# Altium PCB PCB1.PcbDoc
Units mm, origin at the board's own origin, x right, y up, seen from the top; angles counter-clockwise.
Board outline 103.38 x 72.39 mm, 2 copper layers (Top Layer, Bottom Layer); 32 components, 24 nets, 105 pads, 26 vias.
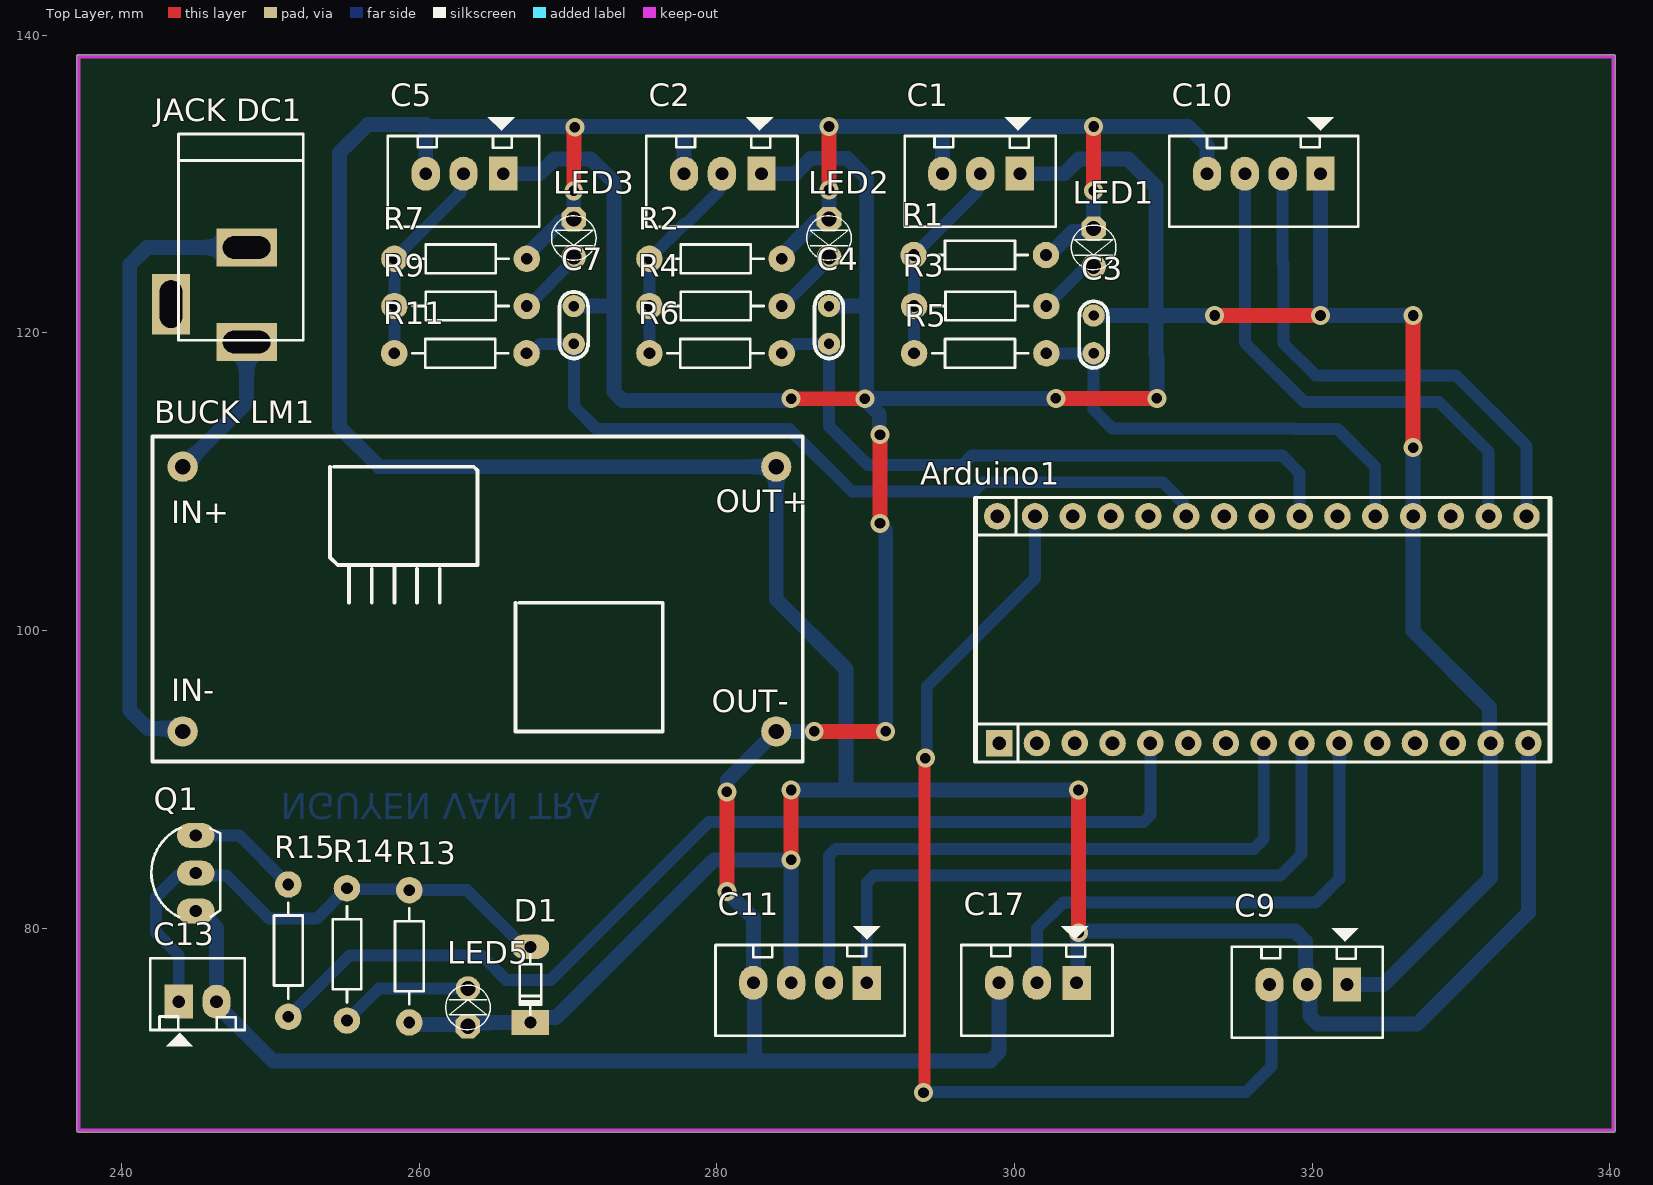
[diagram p0: Top Layer view]
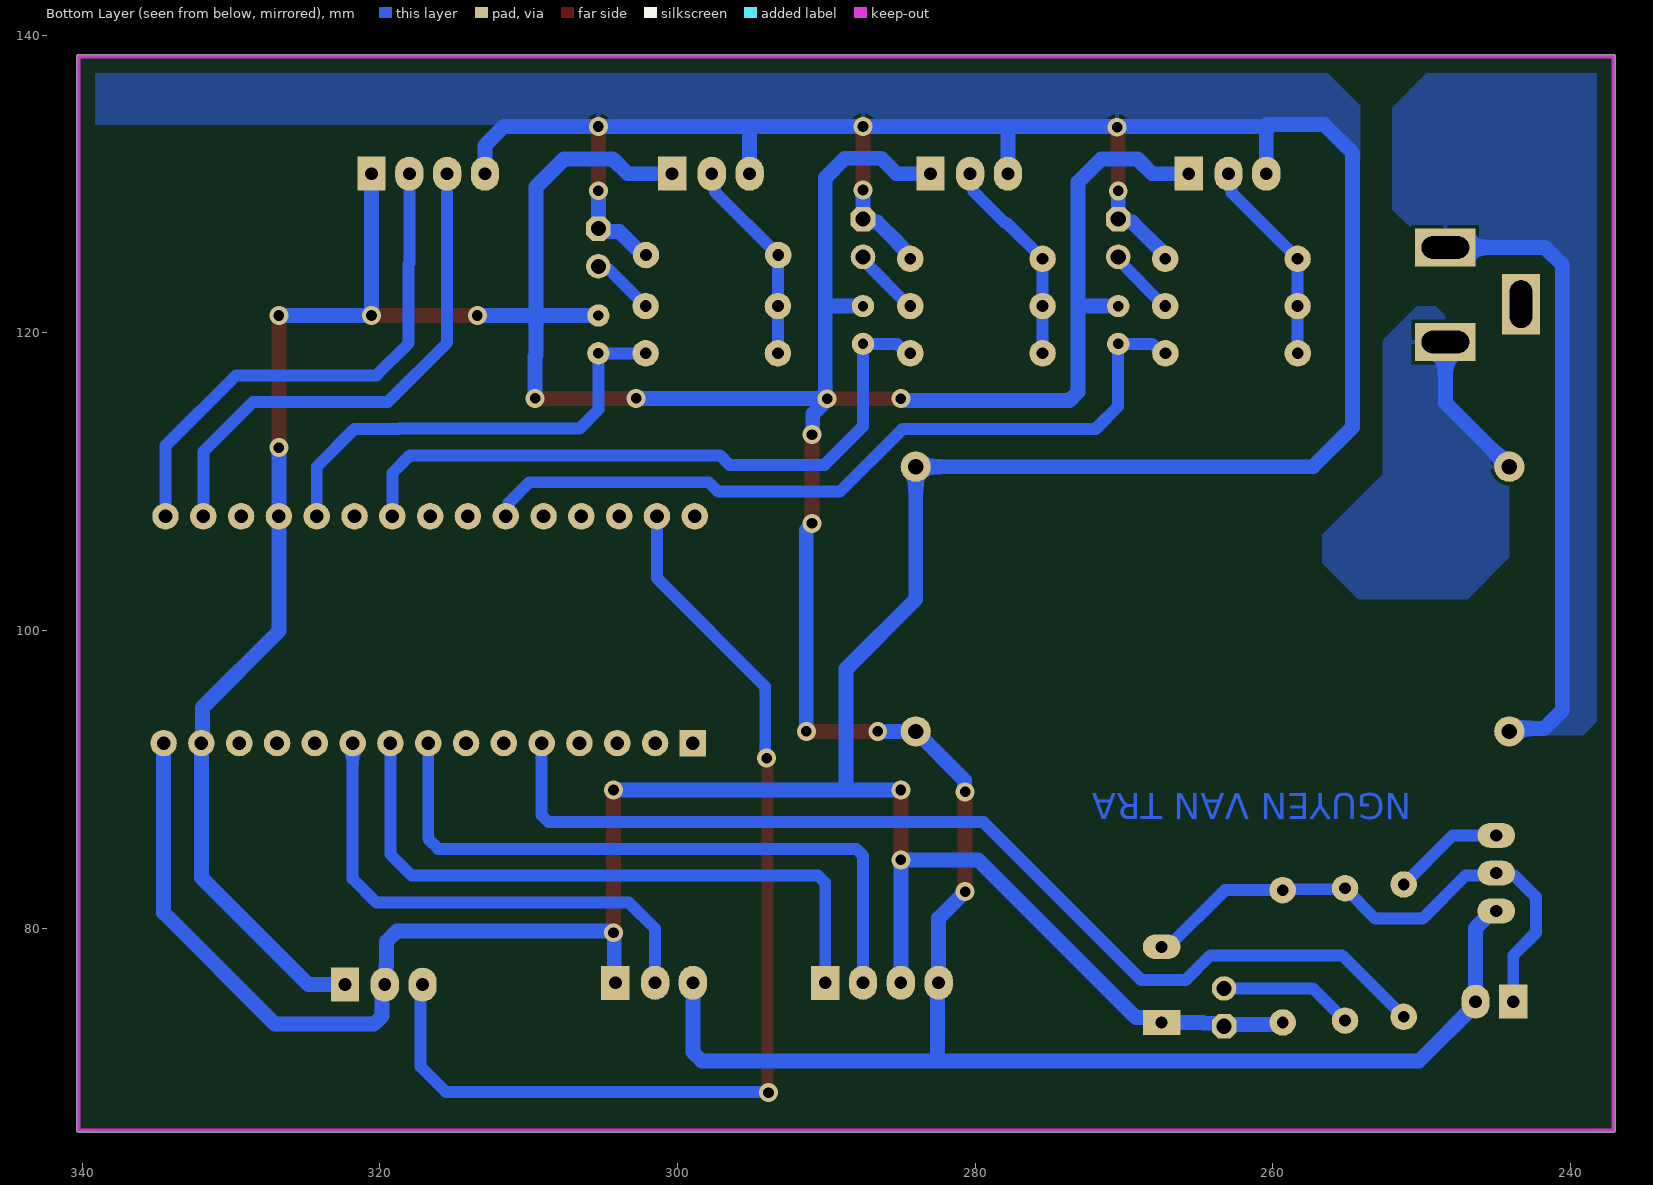
[diagram p1: Bottom Layer view, seen from below]

## Layer stack, top to bottom
Top Solder: solder mask 0.0102, Solder Resist, Dk 3.5
Top Layer: signal copper 0.0356
Dielectric 1: dielectric 0.32, FR-4, Dk 4.8
Bottom Layer: signal copper 0.0356
Bottom Solder: solder mask 0.0102, Solder Resist, Dk 3.5

## Board outline
236.982,66.421 236.982,138.557 cw(c237.109,138.557) 237.109,138.684 340.233,138.684 cw(c340.233,138.557) 340.36,138.557 340.36,66.421 cw(c340.233,66.421) 340.233,66.294 237.109,66.294 cw(c237.109,66.421)

## Design rules (kind name [scope] priority, off if disabled: settings)
Clearance [All] p1: gap=1 ignorepadtopadclearanceinfootprint=TRUE except(0.254: Arc-Hole Track-Hole SMDPad-Hole THPad-Hole Via-Hole Fill-Hole Poly-Hole Region-Hole Text-Hole)
PolygonConnect [All] p1: connectstyle=Relief reliefconductorwidth=0.254 reliefentries=4 polygonreliefangle="90 Angle" airgapwidth=0.254
RoutingVias [All] p1: holewidth=0.711 width=1.27 viastyle="Through Hole" minholewidth=0.711 minwidth=1.27 maxholewidth=0.711 maxwidth=1.27
SolderMaskExpansion [All] p1: expansion=0.102 istentingtop=FALSE
Width V12 [InNet('VCC12')] p1: maxlimit=1 minlimit=1 preferedwidth=1
Width GND [InNet('GND')] p2: maxlimit=1 minlimit=1 preferedwidth=1
Width GND12 [InNet('GND12')] p3: maxlimit=1 minlimit=1 preferedwidth=1
Width VCC [InNet('VCC5')] p4: maxlimit=1 minlimit=1 preferedwidth=1
Width SIGNAL [All] p5: maxlimit=0.8 minlimit=0.8 preferedwidth=0.8
30 further rules are at their usual default settings.

## Classes and differential pairs
component class Sheet1: B? C?

## Components (designator, comment, footprint, x,y, rotation, side; value= is the part's Value field where it differs from the comment)
Arduino1 "Arduino Nano" "Arduino Nano" 316.865,99.287 r270 top value="Cau 1A"
"BUCK LM1" "Buck LM2596" "BUCK LM2596" 263.665,102.87 r0 top
C1 "Sensor 01" Header3 300.228,130.683 r180 top
C2 "Sensor 0" Header3 282.871,130.683 r180 top
C3 "104" "tu gom" 305.308,119.888 r90 top
C4 "104" "tu gom" 287.528,120.523 r90 top
C5 "Sensor 02" Header3 265.515,130.683 r180 top
C7 "104" "tu gom" 270.383,120.523 r90 top
C9 "Servo_0" Header3 322.199,76.2 r180 top
C10 "USART_PC" Header4 320.548,130.683 r180 top
C11 "LCD_I2C" Header4 290.068,76.327 r180 top
C13 "Header2" Header2 243.84,75.057 r0 top
C17 "ADC1" Header3 304.038,76.327 r180 top
D1 "100v" "DIODE 0.5A" 267.462,76.2 r90 top
"JACK DC1" "JACK DC 5.5" "JACK DC 5.5" 245.859,122.555 r270 top value="Jac DC"
LED1 "LED 3mm" LED-3MM-BLUE 305.308,125.603 r270 top
LED2 "LED 3mm" LED-3MM-BLUE 287.528,126.238 r270 top
LED3 "LED 3mm" LED-3MM-BLUE 270.383,126.238 r270 top
LED5 "LED 3mm" LED-3MM-BLUE 263.271,74.803 r90 top
Q1 "C1815" C1815_cam 244.983,83.693 r90 top
R1 "47K" R1/4W 293.218,125.222 r0 top value="R1/4W - 1K"
R2 "47K" R1/4W 275.463,124.968 r0 top value="R1/4W - 1K"
R3 "100R" R1/4W 293.243,121.793 r0 top value="R1/4W - 1K"
R4 "100R" R1/4W 275.463,121.793 r0 top value="R1/4W - 1K"
R5 "4.7K" R1/4W 302.133,118.618 r180 top value="R1/4W - 1K"
R6 "4.7K" R1/4W 284.353,118.618 r180 top value="R1/4W - 1K"
R7 "47K" R1/4W 258.333,124.968 r0 top value="R1/4W - 1K"
R9 "100R" R1/4W 258.333,121.793 r0 top value="R1/4W - 1K"
R11 "4.7K" R1/4W 267.208,118.618 r180 top value="R1/4W - 1K"
R13 "510R" R1/4W 259.334,73.66 r90 top value="R1/4W - 1K"
R14 "510R" R1/4W 255.143,73.787 r90 top value="R1/4W - 1K"
R15 "510R" R1/4W 251.206,74.041 r90 top value="R1/4W - 1K"

## Footprints (in the part's own frame and the unit in brackets; to place one, negate y for a bottom-side part, rotate by r counter-clockwise, add the part's x,y. Pads: shape width x height; smd on the part's side, far side on the other; paste and mask are expansions set on the pad)
"Arduino Nano" [mil]
  round 70 hole 36: 3V3(270,-605) 5V(270,395) A0(270,-405) A1(270,-305) A2(270,-205) A3(270,-105) A4(270,-5) A5(270,95) A6(270,195) A7(270,295) D2(-330,290) D3(-330,190) D4(-330,90) D5(-330,-10) D6(-330,-110) D7(-330,-210) D8(-330,-310) D9(-330,-410) D10(-330,-510) D11(-330,-610) D12(-330,-710) GND(-330,390) GND(270,595) REF(270,-505) RST(-330,490) RST(270,495) RX0(-330,590) TX1(-330,690) VIN(270,695)
  rect 70x70 hole 36: D13(270,-705)
  silkscreen extent -380,-770 320,755, body extent -380,-924 320,844, height 834
"BUCK LM2596" [mil]
  round 80 hole 40: 1(-770,320) 2(-770,-380) 3(800,-380) 4(800,320)
  silkscreen extent -850,-460 870,400
C1815_cam [mil]
  oval 66x100 hole 32: 1(-100,0) 2(0,0) 3(100,0)
  silkscreen extent -117,-65 120,118, body extent -109,-66 109,95, height 245
"DIODE 0.5A" [mil] "Diode muoi, xung"
  oval 65x100 hole 32: 1(100,0)
  rect 65x100 hole 32: 2(-100,0)
  silkscreen extent -80,-30 80,28, body extent -108,-33 108,32, height 61
Header2 [mil] "CON2"
  rect 75x90 hole 34: 1(0,0)
  oval 75x90 hole 34: 2(100,0)
  silkscreen extent -75,-118 175,115, body extent -68,-70 168,107, height 236
Header3 [mil] "CON 3"
  rect 75x90 hole 34: 1(-5,0)
  oval 75x90 hole 34: 2(100,0) 3(200,0)
  silkscreen extent -100,-150 300,140, body extent -95,-90 295,136, height 276
Header4 [mil] "CON4"
  rect 75x90 hole 34: 1(0,0)
  oval 75x90 hole 34: 2(100,0) 3(200,0) 4(300,0)
  silkscreen extent -100,-150 400,140, body extent -90,-90 398,136, height 276
"JACK DC 5.5" [mm] "Jac DC input"
  rect 2.54x4.064 hole 1.5 slot 3.2 at 90 deg: 1(3.175,2.54) 2(-3.175,2.54)
  rect 4.064x2.54 hole 1.5 slot 3.2 at 0 deg: 3(0.635,-2.54)
  silkscreen extent -10.8,-2.03 3.05,6.35, body extent -10.42,-2.67 3.4,6.84, height 11.02
LED-3MM-BLUE [mil]
  oct 65x65 hole 40: 1(-55,0)
  round 65 hole 40: 2(45,0)
  silkscreen extent -64,-59 54,59, body extent -72,-65 54,65, height 184
R1/4W [mil]
  round 70 hole 31: 1(0,0) 2(350,0)
  silkscreen extent 48,-38 302,38, body extent -40,-47 386,47, height 111
"tu gom" [mm] "Tu gom mini"
  round 1.5 hole 0.7: 1(-1.27,0) 2(1.27,0)
  silkscreen extent -2.25,-0.97 2.22,0.97, body extent -2.92,-0.85 2.92,0.85, height 6.12

## Part data
Arduino1: "Arduino NANO"
C1 C2 C5 C9 C17: library part Header3, "Header IDC, 3 x 1 Pin Vertical 2.54mm Pitch (Non-Boxed, Male)", Manufacturer="W¨¹rth Elektronik eiSos GmbH", partNo=613002143121, ComponentLink1 Description=Manufacturer, ComponentLink1URL=http://www.we-online.com, ComponentLink2 Description=Datasheet, ComponentLink2URL=http://katalog.we-online.de/em/datasheet/6130xx143121.pdf, Created by="Karrer Zheng", Created Date="29 March 2013", NoPins=02
C3 C4 C7: library part "Tu gom 104 50V", "Cắm", Chung_Loai=Cắm, Don_Vi=Con, Ma_Hang=MH004761, So_Chan=2, Ten_Linh_Kien="Tụ gốm 104 100nF 50V"
C10 C11: library part Header4, "Header IDC, 4 x 1 Pin Vertical 2.54mm Pitch (Non-Boxed, Male)", Manufacturer="W¨¹rth Elektronik eiSos GmbH", partNo=613002143121, ComponentLink1 Description=Manufacturer, ComponentLink1URL=http://www.we-online.com, ComponentLink2 Description=Datasheet, ComponentLink2URL=http://katalog.we-online.de/em/datasheet/6130xx143121.pdf, Created by="Karrer Zheng", Created Date="29 March 2013", NoPins=02
C13: "Header IDC, 2 x 1 Pin Vertical 2.54mm Pitch (Non-Boxed, Male)", Manufacturer="W¨¹rth Elektronik eiSos GmbH", partNo=613002143121, ComponentLink1 Description=Manufacturer, ComponentLink1URL=http://www.we-online.com, ComponentLink2 Description=Datasheet, ComponentLink2URL=http://katalog.we-online.de/em/datasheet/6130xx143121.pdf, Created by="Karrer Zheng", Created Date="29 March 2013", NoPins=02
D1: library part "Diode 1N4148", "Cắm", Chung_Loai=Cắm, Don_Vi=Con, Ma_Hang=MH001065, Ten_Linh_Kien="Diode 1N4148 DO35 450mA 100V ( 1N4148 DIP)"
LED1 LED2 LED3 LED5: library part "LED 3mm Xanh Duong", "Cắm", Chung_Loai=Cắm, Don_Vi=Con, Ma_Hang=MH009003, Ten_Linh_Kien="LED 3MM Xanh Dương SS (1000c)"
Q1: "NPN 600mW, ECB"
R1 R2 R3 R4 R5 R6 R7 R9 R11 R13 R14 R15: library part R1/4W, "Resistor 1/4W"

## Via types
v1: diameter 1.27, hole 0.711, Top Layer to Bottom Layer, 26 vias

## Nets (pads, with @x,y where several pads share a name; then routed paths per layer and width w, separated by ;. In a path a pad name is that pad's centre, name@x,y a point inside that pad or via, vN(x,y) a via of type N, cw(c..) or ccw(c..) an arc to the next point about the centre after c; other vN are vias at no path point)
ADC1: Arduino1.A6 C17.2 | length 34.5
  Bottom Layer w0.8: C17.2 301.498,79.967 303.253,81.722 320.228,81.722 321.818,83.312 Arduino1.A6
ADC2: Arduino1.A7
GND: "BUCK LM1.3" Arduino1.GND C1.1 C2.1 C3.2 C4.2 C5.1 C7.2 C9.1 C10.1 C11.4 C13.2 C17.3 Q1.1 | length 316.2
  Top Layer w1: v1(280.67,82.447) v1(280.67,89.154) ; v1(284.988,115.57) 284.989,115.569 v1(289.941,115.568) v1(289.941,115.568) ; v1(286.536,93.218) v1(291.338,93.218) ; v1(290.957,107.188) v1(290.957,113.157) ; v1(302.768,115.593) v1(309.553,115.593) ; v1(313.436,121.158) v1(320.548,121.158) ; v1(326.771,112.278) v1(326.771,121.158)
  Bottom Layer w1: Q1.1 245.232,81.153 246.38,80.005 C13.2 246.38,74.867 250.166,71.08 298.372,71.08 298.958,71.666 C17.3 ; C5.1 268.094,130.683 269.083,131.671 271.525,131.671 273.074,130.122 273.074,121.793 ; C7.2 273.074,121.793 ; v1(280.67,82.447) 282.448,80.669 C11.4 282.535,76.24 282.535,71.12 ; v1(280.67,89.154) 280.722,89.206 280.722,89.955 283.985,93.218 v1(286.536,93.218) ; C2.1 285.271,130.683 286.311,131.723 288.745,131.723 290.068,130.4 290.068,121.666 ; v1(284.988,115.57) 284.936,115.518 284.745,115.518 284.67,115.443 273.66,115.443 273.074,116.029 273.074,121.793 ; C4.2 289.941,121.793 290.068,121.666 ; v1(290.957,107.188) 290.957,107.115 291.338,106.734 v1(291.338,93.218) ; v1(290.957,113.157) 290.905,113.209 290.905,114.53 289.941,115.495 v1(289.941,115.568) v1@289.952,115.579 ; C1.1 303.336,130.683 304.328,131.675 307.618,131.675 309.499,129.794 309.499,121.158 ; v1(302.768,115.593) 302.754,115.579 v1@289.952,115.579 ; C3.2 309.499,121.158 ; v1(309.553,115.593) 309.553,118.411 309.499,118.465 309.499,121.158 ; v1(313.436,121.158) 309.499,121.158 ; C10.1 v1(320.548,121.158) v1(326.771,121.158) ; C9.1 324.778,76.2 331.978,83.4 331.978,92.429 331.902,92.505 331.902,94.818 326.771,99.949 326.771,107.669 v1(326.771,112.278) ; v1@289.952,115.579 289.993,115.619 289.993,115.81 290.068,115.886 290.068,121.666
GND12: "BUCK LM1.2" "JACK DC1.2" | length 42.4
  Bottom Layer w1: 244.107,93.218 243.909,93.415 241.759,93.415 240.549,94.625 240.549,124.573 241.706,125.73 248.399,125.73
NetC1_2: C1.2 R1.1 R3.1 R5.2 | length 13.9
  Bottom Layer w0.8: R5.2 R3.1 293.23,121.806 293.23,125.209 R1.1 297.477,129.481 297.477,130.472 C1.2
NetC2_2: C2.2 R2.1 R4.1 R6.2 | length 14.2
  Bottom Layer w0.8: R6.2 R4.1 R2.1 277.886,127.391 278.017,127.391 280.12,129.494 280.12,130.472 C2.2
NetC5_2: C5.2 R7.1 R9.1 R11.2 | length 14
  Bottom Layer w0.8: R11.2 258.326,118.626 258.326,121.785 R9.1 R7.1 262.763,129.398 262.763,130.472 C5.2
NetC13_1: C13.1 D1.1 Q1.2 R13.2 R14.2 | length 37.2
  Bottom Layer w0.8: C13.1 243.84,78.177 242.313,79.704 242.313,82.08 243.758,83.525 244.815,83.525 Q1.2 245.151,83.525 247.056,83.525 249.939,80.642 253.108,80.642 R14.2 255.206,82.614 259.27,82.614 R13.2 263.207,82.55 267.017,78.74 D1.1
NetLED1_2: LED1.2 R3.2 | length 4.3
  Bottom Layer w0.8: R3.2 304.637,124.297 305.145,124.297 LED1.2
NetLED2_2: LED2.2 R4.2 | length 4.7
  Bottom Layer w0.8: R4.2 284.415,121.793 287.528,124.906 LED2.2
NetLED3_2: LED3.2 R9.2 | length 4.6
  Bottom Layer w0.8: R9.2 267.285,121.793 270.383,124.891 LED3.2
NetLED5_2: LED5.2 R14.1 | length 9
  Bottom Layer w0.8: R14.1 257.305,75.949 263.268,75.949 LED5.2
NetQ1_3: Q1.3 R15.2 | length 7.6
  Bottom Layer w0.8: Q1.3 247.904,86.233 R15.2
OUT_TTL_1: Arduino1.A1 R15.1 | length 69.7
  Bottom Layer w0.8: R15.1 255.337,78.172 264.193,78.172 265.85,76.514 268.828,76.514 279.433,87.119 287.226,87.119 287.229,87.122 308.649,87.122 309.118,87.591 Arduino1.A1
RX: Arduino1.RX0 C10.3 | length 35.1
  Bottom Layer w0.8: C10.3 315.468,124.663 315.471,124.66 315.471,119.342 319.475,115.338 328.527,115.338 331.851,112.014 Arduino1.RX0
SCL: Arduino1.A5 C11.1 | length 44.2
  Bottom Layer w0.8: C11.1 290.068,83.053 290.537,83.522 317.837,83.522 319.278,84.963 Arduino1.A5
SDA: Arduino1.A4 C11.2 | length 44.6
  Bottom Layer w0.8: C11.2 287.528,84.853 287.997,85.322 316.073,85.322 316.738,85.987 Arduino1.A4
SERVO_0: Arduino1.D11 C9.3 | length 71.5
  Top Layer w0.8: v1(293.878,68.945) 293.941,69.009 293.941,91.353 v1(294.005,91.416)
  Bottom Layer w0.8: v1(293.878,68.945) 293.918,68.985 315.531,68.985 317.246,70.7 317.246,76.073 C9.3 ; v1(294.005,91.416) 294.094,91.505 294.094,96.228 301.371,103.505 Arduino1.D11
SS_0: Arduino1.D4 C4.1 R6.1 | length 45.3
  Bottom Layer w0.8: R6.1 284.618,118.618 285.253,119.253 C4.1 287.528,113.708 290.114,111.122 296.501,111.122 297.137,111.758 317.964,111.758 319.151,110.571 Arduino1.D4
SS_1: Arduino1.D2 C3.1 R5.1 | length 30.8
  Bottom Layer w0.8: R5.1 C3.1 305.308,114.828 306.578,113.558 318.709,113.558 318.729,113.538 321.691,113.538 324.231,110.998 Arduino1.D2
SS_2: Arduino1.D7 C7.1 R11.1 | length 52.8
  Bottom Layer w0.8: R11.1 267.473,118.618 268.108,119.253 C7.1 270.383,115.062 271.91,113.535 284.865,113.535 289.077,109.322 297.247,109.322 297.883,109.958 309.939,109.958 311.344,108.553 311.344,107.856 Arduino1.D7
TX: Arduino1.TX1 C10.2 | length 35.3
  Bottom Layer w0.8: C10.2 318.008,124.666 318.057,124.618 318.057,119.302 320.22,117.138 329.648,117.138 334.391,112.395 Arduino1.TX1
VCC5: "BUCK LM1.4" Arduino1.VIN C1.3 C2.3 C5.3 C9.2 C10.4 C11.3 C17.1 D1.2 LED1.1 LED2.1 LED3.1 LED5.1 R1.2 R2.2 R7.2 R13.1 | length 302
  Top Layer w1: v1(270.383,129.536) 270.383,131.671 270.407,131.695 270.407,133.755 v1(270.458,133.806) ; v1(284.988,84.582) v1(284.988,89.281) ; v1(287.528,129.588) v1(287.528,133.858) ; v1(304.292,79.687) v1(304.292,89.281) ; v1(305.308,129.54) v1(305.308,133.858)
  Bottom Layer w1: R13.1 259.461,73.533 263.144,73.533 LED5.1 263.477,73.612 264.644,73.612 264.692,73.66 D1.2 267.787,73.985 269.189,73.985 279.786,84.582 v1(284.988,84.582) C11.3 ; C5.3 260.435,133.646 260.223,133.858 270.407,133.858 v1(270.458,133.806) 270.51,133.858 278.003,133.858 ; 260.438,133.985 256.54,133.985 254.635,132.08 254.635,113.665 257.302,110.998 283.985,110.998 283.985,102.095 288.671,97.409 288.671,89.535 288.417,89.281 ; R7.2 267.372,125.117 267.372,125.373 269.429,127.429 270.177,127.429 LED3.1 v1(270.383,129.536) ; C2.3 277.791,133.646 278.003,133.858 ; R2.2 284.353,125.179 285.202,126.028 285.202,126.058 286.574,127.429 287.322,127.429 LED2.1 v1(287.528,129.588) ; v1(284.988,89.281) 288.417,89.281 ; C1.3 295.148,133.858 ; R1.2 302.318,125.222 303.89,126.794 305.102,126.794 LED1.1 v1(305.308,129.54) ; C17.1 304.24,76.402 304.24,79.635 v1(304.292,79.687) ; v1@304.24,79.759 304.292,79.811 318.842,79.811 319.532,79.121 319.532,77.446 319.572,77.406 319.572,76.287 C9.2 319.832,76.027 319.832,74.097 320.372,73.557 327.049,73.557 334.518,81.026 Arduino1.VIN ; v1(304.292,89.281) 288.417,89.281 ; C10.4 312.928,132.588 311.658,133.858 v1(305.308,133.858) 295.148,133.858 ; 278.003,133.858 295.148,133.858
VCC12: "BUCK LM1.1" "JACK DC1.1" | length 10.2
  Bottom Layer w1: 244.107,110.998 248.399,115.291 248.399,119.38
pads on no net: "JACK DC1.3" Arduino1.3V3 Arduino1.5V Arduino1.A0 Arduino1.A2 Arduino1.A3 Arduino1.D3 Arduino1.D5 Arduino1.D6 Arduino1.D8 Arduino1.D9 Arduino1.D10 Arduino1.D12 Arduino1.D13 Arduino1.REF Arduino1.RST

## Polygon pours and split planes (outlines as drawn)
VCC5 on Bottom Layer "VCC5_L02_P000" (solid, pour order 0): 340.233,138.557 328.295,138.557 257.429,138.557 254.127,135.255 254.127,131.572 256.54,133.985 328.93,133.985 340.233,133.985
VCC12 on Bottom Layer "VCC12_L02_P004" (solid, pour order 4): 248.399,115.291 244.094,110.985 244.094,104.902 246.888,102.108 254.254,102.108 256.667,104.521 256.667,106.426 252.603,110.49 252.603,119.507 250.315,121.795 249.049,121.795 248.399,121.145
GND12 on Bottom Layer "GND12_L02_P003" (solid, pour order 3): 239.141,92.964 237.109,94.996 237.109,138.557 248.539,138.557 251.968,135.128 251.968,128.27 249.301,125.603 249.174,125.73 241.706,125.73 240.549,124.573 240.549,94.625 242.21,92.964

## Keep-outs
Keep-Out Layer:
  lines w0.254: 237.109,66.421 237.109,138.557 340.233,138.557 340.233,66.421 237.109,66.421

## Other copper
Bottom Layer:
  text "NGUYEN VAN TRA" at 250.698,89.626 h3 r180

## Text inside footprints (layer, text, board x,y; h text height)
"BUCK LM1": Top Overlay "IN+" at 243.345,107.188 h1.52; Top Overlay "IN-" at 243.345,95.25 h1.52; Top Overlay "OUT+" at 279.921,107.95 h1.52; Top Overlay "OUT-" at 279.667,94.488 h1.52